# KiCad board motherboard.kicad_pcb (continued)
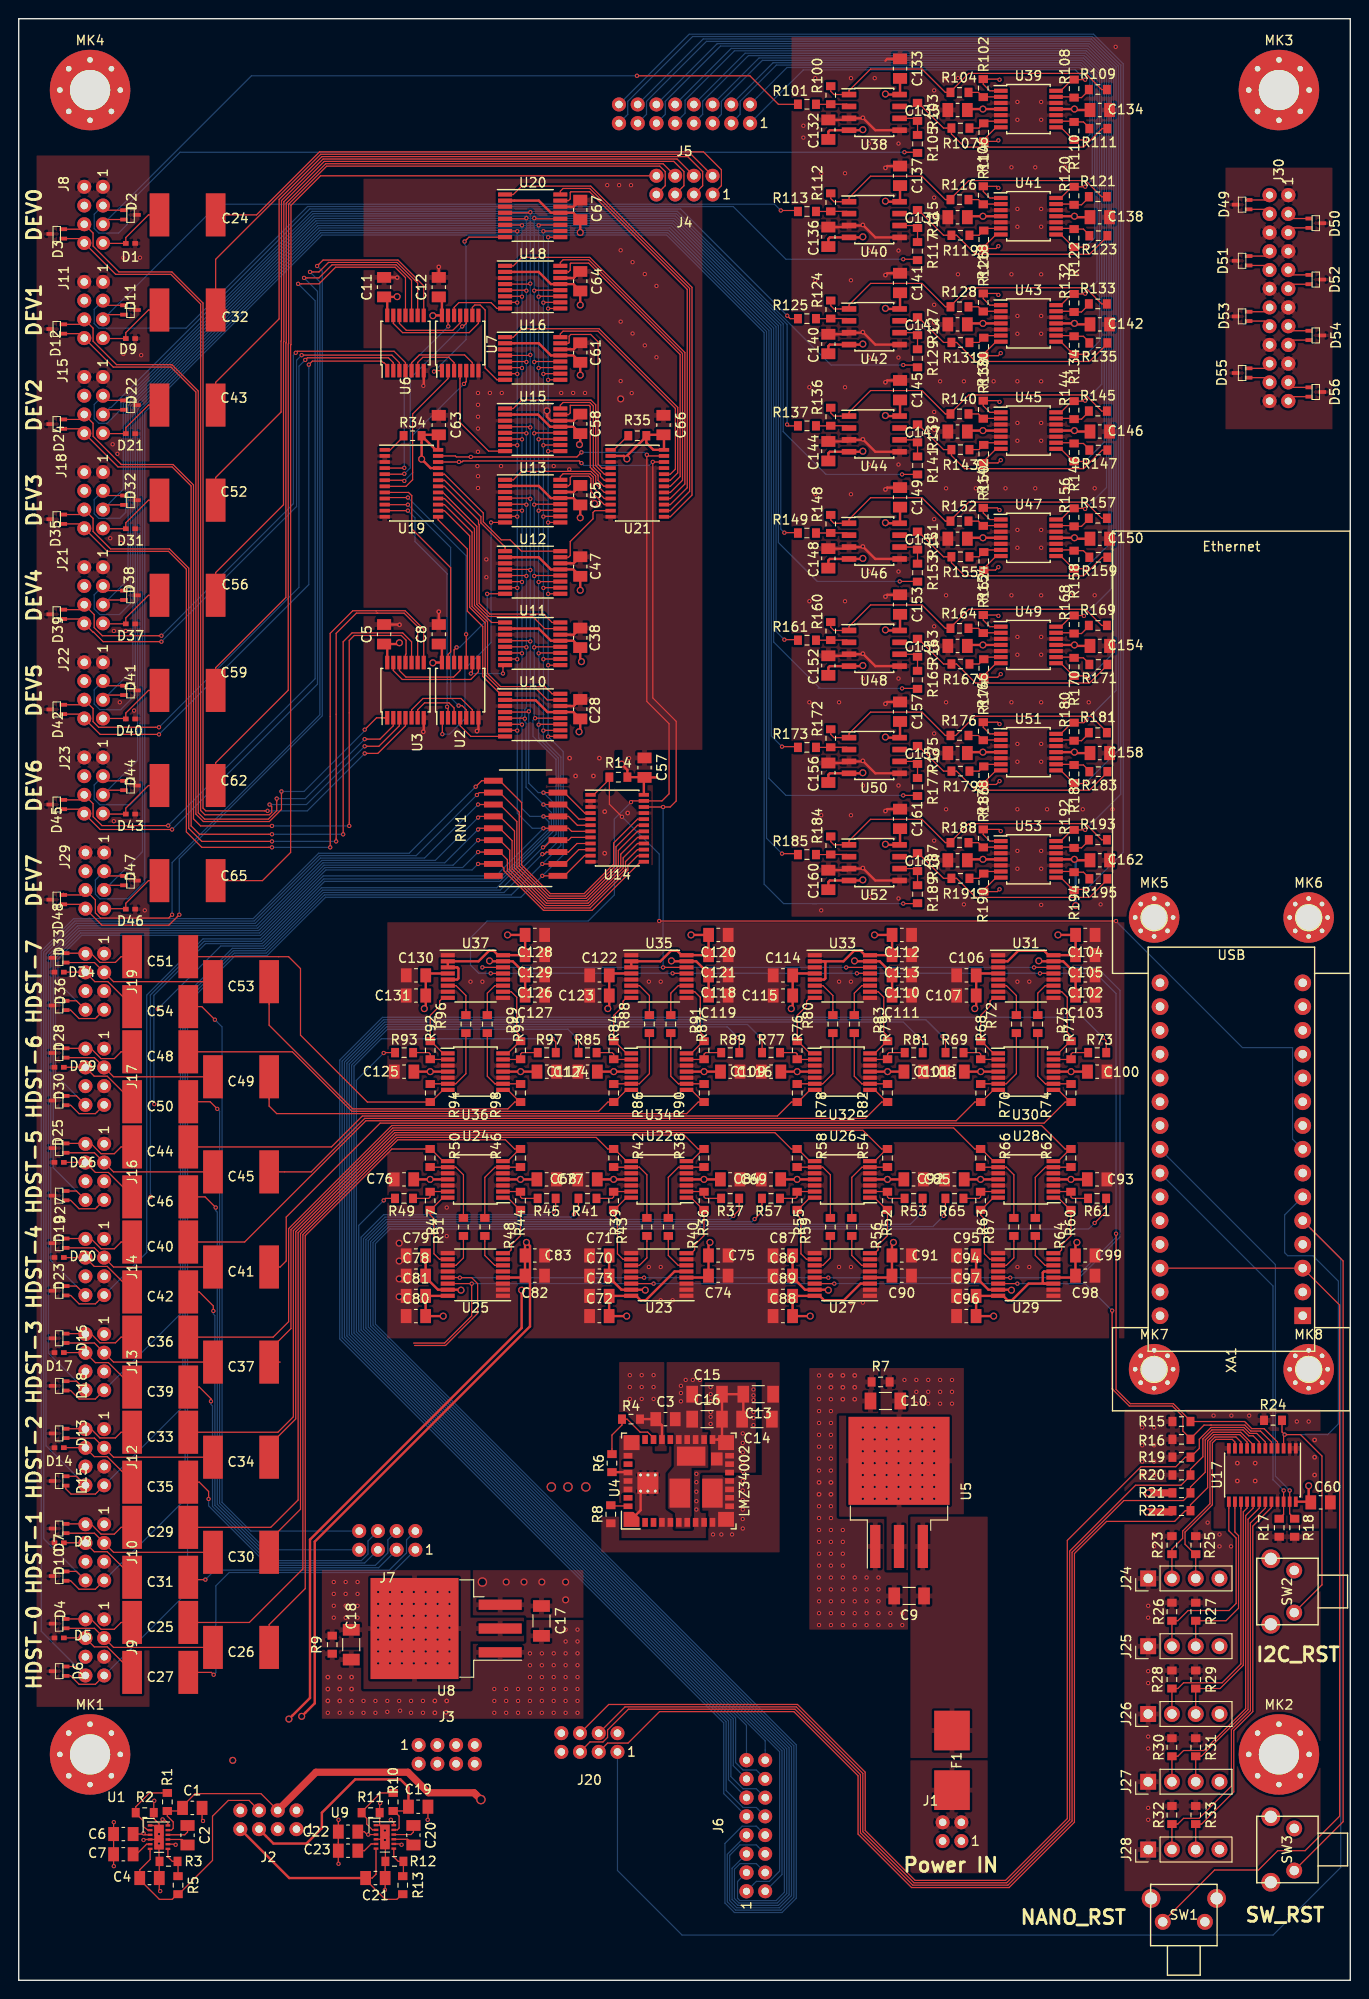
[diagram p0: board, top side]
## Nets (continued)
/Audio Mux and Control/DEV-PTT-XBAR-CTL23: U20.15 U21.15
/Audio Mux and Control/Device LR Distro Amplifier 0/L_IN: D2.2 J8.5 R101.2
/Audio Mux and Control/Device LR Distro Amplifier 0/R_IN: D2.1 J8.3 R105.2
/Audio Mux and Control/Device LR Distro Amplifier 1/L_IN: D11.2 J11.5 R113.2
/Audio Mux and Control/Device LR Distro Amplifier 1/R_IN: D11.1 J11.3 R117.2
/Audio Mux and Control/Device LR Distro Amplifier 2/L_IN: D22.2 J15.5 R125.2
/Audio Mux and Control/Device LR Distro Amplifier 2/R_IN: D22.1 J15.3 R129.2
/Audio Mux and Control/Device LR Distro Amplifier 3/L_IN: D32.2 J18.5 R137.2
/Audio Mux and Control/Device LR Distro Amplifier 3/R_IN: D32.1 J18.3 R141.2
/Audio Mux and Control/Device LR Distro Amplifier 4/L_IN: D38.2 J21.5 R149.2
/Audio Mux and Control/Device LR Distro Amplifier 4/R_IN: D38.1 J21.3 R153.2
/Audio Mux and Control/Device LR Distro Amplifier 5/L_IN: D41.2 J22.5 R161.2
/Audio Mux and Control/Device LR Distro Amplifier 5/R_IN: D41.1 J22.3 R165.2
/Audio Mux and Control/Device LR Distro Amplifier 6/L_IN: D44.2 J23.5 R173.2
/Audio Mux and Control/Device LR Distro Amplifier 6/R_IN: D44.1 J23.3 R177.2
/Audio Mux and Control/Device LR Distro Amplifier 7/L_IN: D47.2 J29.5 R185.2
/Audio Mux and Control/Device LR Distro Amplifier 7/R_IN: D47.1 J29.3 R189.2
/Audio Mux and Control/HEADSET-AUDIO-SOURCE-L-0: J5.1 R108.1 U39.14
/Audio Mux and Control/HEADSET-AUDIO-SOURCE-L-1: J5.3 R120.1 U41.14
/Audio Mux and Control/HEADSET-AUDIO-SOURCE-L-2: J5.5 R132.1 U43.14
/Audio Mux and Control/HEADSET-AUDIO-SOURCE-L-3: J5.7 R144.1 U45.14
/Audio Mux and Control/HEADSET-AUDIO-SOURCE-L-4: J5.9 R156.1 U47.14
/Audio Mux and Control/HEADSET-AUDIO-SOURCE-L-5: J5.11 R168.1 U49.14
/Audio Mux and Control/HEADSET-AUDIO-SOURCE-L-6: J5.13 R180.1 U51.14
/Audio Mux and Control/HEADSET-AUDIO-SOURCE-L-7: J5.15 R192.1 U53.14
/Audio Mux and Control/HEADSET-AUDIO-SOURCE-R-0: J5.2 R110.1 U39.8
/Audio Mux and Control/HEADSET-AUDIO-SOURCE-R-1: J5.4 R122.1 U41.8
/Audio Mux and Control/HEADSET-AUDIO-SOURCE-R-2: J5.6 R134.1 U43.8
/Audio Mux and Control/HEADSET-AUDIO-SOURCE-R-3: J5.8 R146.1 U45.8
/Audio Mux and Control/HEADSET-AUDIO-SOURCE-R-4: J5.10 R158.1 U47.8
/Audio Mux and Control/HEADSET-AUDIO-SOURCE-R-5: J5.12 R170.1 U49.8
/Audio Mux and Control/HEADSET-AUDIO-SOURCE-R-6: J5.14 R182.1 U51.8
/Audio Mux and Control/HEADSET-AUDIO-SOURCE-R-7: J5.16 R194.1 U53.8
/Audio Mux and Control/L_OUT0: J6.2 R45.2
/Audio Mux and Control/L_OUT1: J6.4 R37.2
/Audio Mux and Control/L_OUT2: J6.6 R53.2
/Audio Mux and Control/L_OUT3: J6.8 R61.2
/Audio Mux and Control/L_OUT4: J6.10 R69.2
/Audio Mux and Control/L_OUT5: J6.12 R77.2
/Audio Mux and Control/L_OUT6: J6.14 R85.2
/Audio Mux and Control/L_OUT7: J6.16 R93.2
/Audio Mux and Control/MIC-IN0: C27.2 J7.1
/Audio Mux and Control/MIC-IN1: C31.2 J7.2
/Audio Mux and Control/MIC-IN2: C35.2 J7.3
/Audio Mux and Control/MIC-IN3: C39.2 J7.4
/Audio Mux and Control/MIC-IN4: C42.2 J7.5
/Audio Mux and Control/MIC-IN5: C46.2 J7.6
/Audio Mux and Control/MIC-IN6: C50.2 J7.7
/Audio Mux and Control/MIC-IN7: C54.2 J7.8
/Audio Mux and Control/MIC-MUTE-0: D6.2 J9.8 RN1.1 U14.20
/Audio Mux and Control/MIC-MUTE-1: D10.2 J10.8 RN1.2 U14.19
/Audio Mux and Control/MIC-MUTE-2: D15.2 J12.8 RN1.3 U14.18
/Audio Mux and Control/MIC-MUTE-3: D18.2 J13.8 RN1.4 U14.17
/Audio Mux and Control/MIC-MUTE-4: D23.2 J14.8 RN1.5 U14.16
/Audio Mux and Control/MIC-MUTE-5: D27.2 J16.8 RN1.6 U14.15
/Audio Mux and Control/MIC-MUTE-6: D30.2 J17.8 RN1.7 U14.14
/Audio Mux and Control/MIC-MUTE-7: D36.2 J19.8 RN1.8 U14.13
/Audio Mux and Control/MIC-OUT0: C24.1 J4.1
/Audio Mux and Control/MIC-OUT1: C32.1 J4.2
/Audio Mux and Control/MIC-OUT2: C43.1 J4.3
/Audio Mux and Control/MIC-OUT3: C52.1 J4.4
/Audio Mux and Control/MIC-OUT4: C56.1 J4.5
/Audio Mux and Control/MIC-OUT5: C59.1 J4.6
/Audio Mux and Control/MIC-OUT6: C62.1 J4.7
/Audio Mux and Control/MIC-OUT7: C65.1 J4.8
/Audio Mux and Control/MIXER-OUT-L-0: D49.2 J30.2 R102.1 U39.1
/Audio Mux and Control/MIXER-OUT-L-1: D50.1 J30.3 R114.1 U41.1
/Audio Mux and Control/MIXER-OUT-L-2: D51.2 J30.8 R126.1 U43.1
/Audio Mux and Control/MIXER-OUT-L-3: D52.1 J30.9 R138.1 U45.1
/Audio Mux and Control/MIXER-OUT-L-4: D53.2 J30.14 R150.1 U47.1
/Audio Mux and Control/MIXER-OUT-L-5: D54.1 J30.15 R162.1 U49.1
/Audio Mux and Control/MIXER-OUT-L-6: D55.2 J30.20 R174.1 U51.1
/Audio Mux and Control/MIXER-OUT-L-7: D56.1 J30.21 R186.1 U53.1
/Audio Mux and Control/MIXER-OUT-R-0: D49.1 J30.4 R106.1 U39.7
/Audio Mux and Control/MIXER-OUT-R-1: D50.2 J30.5 R118.1 U41.7
/Audio Mux and Control/MIXER-OUT-R-2: D51.1 J30.10 R130.1 U43.7
/Audio Mux and Control/MIXER-OUT-R-3: D52.2 J30.11 R142.1 U45.7
/Audio Mux and Control/MIXER-OUT-R-4: D53.1 J30.16 R154.1 U47.7
/Audio Mux and Control/MIXER-OUT-R-5: D54.2 J30.17 R166.1 U49.7
/Audio Mux and Control/MIXER-OUT-R-6: D55.1 J30.22 R178.1 U51.7
/Audio Mux and Control/MIXER-OUT-R-7: D56.2 J30.23 R190.1 U53.7
/Audio Mux and Control/MUX->OR-0: U2.4 U10.8
/Audio Mux and Control/MUX->OR-1: U2.9 U11.8
/Audio Mux and Control/MUX->OR-2: U2.12 U12.8
/Audio Mux and Control/MUX->OR-3: U2.1 U13.8
/Audio Mux and Control/MUX->OR-4: U7.4 U15.8
/Audio Mux and Control/MUX->OR-5: U7.9 U16.8
/Audio Mux and Control/MUX->OR-6: U7.12 U18.8
/Audio Mux and Control/MUX->OR-7: U7.1 U20.8
/Audio Mux and Control/PTT+DEV0: D3.2 J8.6 U3.4
/Audio Mux and Control/PTT+DEV1: D12.2 J11.6 U3.2
/Audio Mux and Control/PTT+DEV2: D24.2 J15.6 U3.11
/Audio Mux and Control/PTT+DEV3: D35.2 J18.6 U3.9
/Audio Mux and Control/PTT+DEV4: D39.2 J21.6 U6.4
/Audio Mux and Control/PTT+DEV5: D42.2 J22.6 U6.2
/Audio Mux and Control/PTT+DEV6: D45.2 J23.6 U6.11
/Audio Mux and Control/PTT+DEV7: D48.2 J29.6 U6.9
/Audio Mux and Control/PTT-0: D6.1 J9.7 RN1.10 U10.9 U11.9 U12.9 U13.9 U14.11 U15.9 U16.9 U18.9 U20.9
/Audio Mux and Control/PTT-1: D10.1 J10.7 RN1.11 U10.10 U11.10 U12.10 U13.10 U14.10 U15.10 U16.10 U18.10 U20.10
/Audio Mux and Control/PTT-2: D15.1 J12.7 RN1.12 U10.11 U11.11 U12.11 U13.11 U14.9 U15.11 U16.11 U18.11 U20.11
/Audio Mux and Control/PTT-3: D18.1 J13.7 RN1.13 U10.12 U11.12 U12.12 U13.12 U14.8 U15.12 U16.12 U18.12 U20.12
/Audio Mux and Control/PTT-4: D23.1 J14.7 RN1.14 U10.7 U11.7 U12.7 U13.7 U14.7 U15.7 U16.7 U18.7 U20.7
/Audio Mux and Control/PTT-5: D27.1 J16.7 RN1.15 U10.6 U11.6 U12.6 U13.6 U14.6 U15.6 U16.6 U18.6 U20.6
/Audio Mux and Control/PTT-6: D30.1 J17.7 RN1.16 U10.5 U11.5 U12.5 U13.5 U14.5 U15.5 U16.5 U18.5 U20.5
/Audio Mux and Control/PTT-7: D36.1 J19.7 RN1.17 U10.4 U11.4 U12.4 U13.4 U14.4 U15.4 U16.4 U18.4 U20.4
/Audio Mux and Control/PTT-DEV0: D3.1 J8.8 U3.3
/Audio Mux and Control/PTT-DEV1: D12.1 J11.8 U3.1
/Audio Mux and Control/PTT-DEV2: D24.1 J15.8 U3.10
/Audio Mux and Control/PTT-DEV3: D35.1 J18.8 U3.8
/Audio Mux and Control/PTT-DEV4: D39.1 J21.8 U6.3
/Audio Mux and Control/PTT-DEV5: D42.1 J22.8 U6.1
/Audio Mux and Control/PTT-DEV6: D45.1 J23.8 U6.10
/Audio Mux and Control/PTT-DEV7: D48.1 J29.8 U6.8
/Audio Mux and Control/R_OUT0: J6.1 R49.2
/Audio Mux and Control/R_OUT1: J6.3 R41.2
/Audio Mux and Control/R_OUT2: J6.5 R57.2
/Audio Mux and Control/R_OUT3: J6.7 R65.2
/Audio Mux and Control/R_OUT4: J6.9 R73.2
/Audio Mux and Control/R_OUT5: J6.11 R81.2
/Audio Mux and Control/R_OUT6: J6.13 R89.2
/Audio Mux and Control/R_OUT7: J6.15 R97.2
/Audio Mux and Control/RPI-PTT-0: U2.5 U19.10
/Audio Mux and Control/RPI-PTT-1: U2.10 U19.9
/Audio Mux and Control/RPI-PTT-2: U2.13 U19.8
/Audio Mux and Control/RPI-PTT-3: U2.2 U19.11
/Audio Mux and Control/RPI-PTT-4: U7.5 U19.6
/Audio Mux and Control/RPI-PTT-5: U7.10 U19.5
/Audio Mux and Control/RPI-PTT-6: U7.13 U19.4
/Audio Mux and Control/RPI-PTT-7: U7.2 U19.7
/Audio Mux and Control/Stereo Amplifier 0/L_OUT: C25.2 R46.1 U24.7
/Audio Mux and Control/Stereo Amplifier 0/R_OUT: C26.2 R50.1 U24.8
/Audio Mux and Control/Stereo Amplifier 1/L_OUT: C29.2 R38.1 U22.7
/Audio Mux and Control/Stereo Amplifier 1/R_OUT: C30.2 R42.1 U22.8
/Audio Mux and Control/Stereo Amplifier 2/L_OUT: C33.2 R54.1 U26.7
/Audio Mux and Control/Stereo Amplifier 2/R_OUT: C34.2 R58.1 U26.8
/Audio Mux and Control/Stereo Amplifier 3/L_OUT: C36.2 R62.1 U28.7
/Audio Mux and Control/Stereo Amplifier 3/R_OUT: C37.2 R66.1 U28.8
/Audio Mux and Control/Stereo Amplifier 4/L_OUT: C40.2 R70.1 U30.7
/Audio Mux and Control/Stereo Amplifier 4/R_OUT: C41.2 R74.1 U30.8
/Audio Mux and Control/Stereo Amplifier 5/L_OUT: C44.2 R78.1 U32.7
/Audio Mux and Control/Stereo Amplifier 5/R_OUT: C45.2 R82.1 U32.8
/Audio Mux and Control/Stereo Amplifier 6/L_OUT: C48.2 R86.1 U34.7
/Audio Mux and Control/Stereo Amplifier 6/R_OUT: C49.2 R90.1 U34.8
/Audio Mux and Control/Stereo Amplifier 7/L_OUT: C51.2 R94.1 U36.7
/Audio Mux and Control/Stereo Amplifier 7/R_OUT: C53.2 R98.1 U36.8
Net-(C2-Pad1): C2.1 U1.10
Net-(C2-Pad2): C2.2 U1.9
Net-(C7-Pad1): C7.1 U1.5
Net-(C20-Pad1): C20.1 U9.10
Net-(C20-Pad2): C20.2 U9.9
Net-(C23-Pad1): C23.1 U9.5
Net-(C24-Pad2): C24.2 D1.1 J8.7
Net-(C25-Pad1): C25.1 D4.2 J9.2
Net-(C26-Pad1): C26.1 D4.1 J9.3
Net-(C27-Pad1): C27.1 D5.2 J9.4
Net-(C29-Pad1): C29.1 D7.2 J10.2
Net-(C30-Pad1): C30.1 D7.1 J10.3
Net-(C31-Pad1): C31.1 D8.2 J10.4
Net-(C32-Pad2): C32.2 D9.1 J11.7
Net-(C33-Pad1): C33.1 D13.2 J12.2
Net-(C34-Pad1): C34.1 D13.1 J12.3
Net-(C35-Pad1): C35.1 D14.2 J12.4
Net-(C36-Pad1): C36.1 D16.2 J13.2
Net-(C37-Pad1): C37.1 D16.1 J13.3
Net-(C39-Pad1): C39.1 D17.2 J13.4
Net-(C40-Pad1): C40.1 D19.2 J14.2
Net-(C41-Pad1): C41.1 D19.1 J14.3
Net-(C42-Pad1): C42.1 D20.2 J14.4
Net-(C43-Pad2): C43.2 D21.1 J15.7
Net-(C44-Pad1): C44.1 D25.2 J16.2
Net-(C45-Pad1): C45.1 D25.1 J16.3
Net-(C46-Pad1): C46.1 D26.2 J16.4
Net-(C48-Pad1): C48.1 D28.2 J17.2
Net-(C49-Pad1): C49.1 D28.1 J17.3
Net-(C50-Pad1): C50.1 D29.2 J17.4
Net-(C51-Pad1): C51.1 D33.2 J19.2
Net-(C52-Pad2): C52.2 D31.1 J18.7
Net-(C53-Pad1): C53.1 D33.1 J19.3
Net-(C54-Pad1): C54.1 D34.2 J19.4
Net-(C56-Pad2): C56.2 D37.1 J21.7
Net-(C59-Pad2): C59.2 D40.1 J22.7
Net-(C62-Pad2): C62.2 D43.1 J23.7
Net-(C65-Pad2): C65.2 D46.1 J29.7
Net-(R1-Pad2): R1.2 R2.1 U1.2
Net-(R3-Pad2): R3.2 R5.1 U1.7
Net-(R4-Pad2): R4.2 R6.1 U4.27
Net-(R8-Pad1): R8.1 U4.36
Net-(R10-Pad2): R10.2 R11.1 U9.2
Net-(R12-Pad2): R12.2 R13.1 U9.7
Net-(R34-Pad2): R34.2 U19.1
Net-(R35-Pad2): R35.2 U21.1
Net-(R36-Pad1): R36.1 U22.1 U23.8
Net-(R36-Pad2): R36.2 R37.1 U22.2
Net-(R38-Pad2): R38.2 R40.1 U22.6
Net-(R39-Pad1): R39.1 U22.14 U23.10
Net-(R39-Pad2): R39.2 R41.1 U22.13
Net-(R40-Pad2): R40.2 U23.6
Net-(R42-Pad2): R42.2 R43.1 U22.9
Net-(R43-Pad2): R43.2 U23.11
Net-(R44-Pad1): R44.1 U24.1 U25.8
Net-(R44-Pad2): R44.2 R45.1 U24.2
Net-(R46-Pad2): R46.2 R48.1 U24.6
Net-(R47-Pad1): R47.1 U24.14 U25.10
Net-(R47-Pad2): R47.2 R49.1 U24.13
Net-(R48-Pad2): R48.2 U25.6
Net-(R50-Pad2): R50.2 R51.1 U24.9
Net-(R51-Pad2): R51.2 U25.11
Net-(R52-Pad1): R52.1 U26.1 U27.8
Net-(R52-Pad2): R52.2 R53.1 U26.2
Net-(R54-Pad2): R54.2 R56.1 U26.6
Net-(R55-Pad1): R55.1 U26.14 U27.10
Net-(R55-Pad2): R55.2 R57.1 U26.13
Net-(R56-Pad2): R56.2 U27.6
Net-(R58-Pad2): R58.2 R59.1 U26.9
Net-(R59-Pad2): R59.2 U27.11
Net-(R60-Pad1): R60.1 U28.1 U29.8
Net-(R60-Pad2): R60.2 R61.1 U28.2
Net-(R62-Pad2): R62.2 R64.1 U28.6
Net-(R63-Pad1): R63.1 U28.14 U29.10
Net-(R63-Pad2): R63.2 R65.1 U28.13
Net-(R64-Pad2): R64.2 U29.6
Net-(R66-Pad2): R66.2 R67.1 U28.9
Net-(R67-Pad2): R67.2 U29.11
Net-(R68-Pad1): R68.1 U30.1 U31.8
Net-(R68-Pad2): R68.2 R69.1 U30.2
Net-(R70-Pad2): R70.2 R72.1 U30.6
Net-(R71-Pad1): R71.1 U30.14 U31.10
Net-(R71-Pad2): R71.2 R73.1 U30.13
Net-(R72-Pad2): R72.2 U31.6
Net-(R74-Pad2): R74.2 R75.1 U30.9
Net-(R75-Pad2): R75.2 U31.11
Net-(R76-Pad1): R76.1 U32.1 U33.8
Net-(R76-Pad2): R76.2 R77.1 U32.2
Net-(R78-Pad2): R78.2 R80.1 U32.6
Net-(R79-Pad1): R79.1 U32.14 U33.10
Net-(R79-Pad2): R79.2 R81.1 U32.13
Net-(R80-Pad2): R80.2 U33.6
Net-(R82-Pad2): R82.2 R83.1 U32.9
Net-(R83-Pad2): R83.2 U33.11
Net-(R84-Pad1): R84.1 U34.1 U35.8
Net-(R84-Pad2): R84.2 R85.1 U34.2
Net-(R86-Pad2): R86.2 R88.1 U34.6
Net-(R87-Pad1): R87.1 U34.14 U35.10
Net-(R87-Pad2): R87.2 R89.1 U34.13
Net-(R88-Pad2): R88.2 U35.6
Net-(R90-Pad2): R90.2 R91.1 U34.9
Net-(R91-Pad2): R91.2 U35.11
Net-(R92-Pad1): R92.1 U36.1 U37.8
Net-(R92-Pad2): R92.2 R93.1 U36.2
Net-(R94-Pad2): R94.2 R96.1 U36.6
Net-(R95-Pad1): R95.1 U36.14 U37.10
Net-(R95-Pad2): R95.2 R97.1 U36.13
Net-(R96-Pad2): R96.2 U37.6
Net-(R98-Pad2): R98.2 R99.1 U36.9
Net-(R99-Pad2): R99.2 U37.11
Net-(R100-Pad1): R100.1 R104.2 R109.2 U38.1
Net-(R100-Pad2): R100.2 R101.1 U38.2
Net-(R102-Pad2): R102.2 R104.1 U39.2
Net-(R103-Pad1): R103.1 R107.2 R111.2 U38.7
Net-(R103-Pad2): R103.2 R105.1 U38.6
Net-(R106-Pad2): R106.2 R107.1 U39.6
Net-(R108-Pad2): R108.2 R109.1 U39.13
Net-(R110-Pad2): R110.2 R111.1 U39.9
Net-(R112-Pad1): R112.1 R116.2 R121.2 U40.1
Net-(R112-Pad2): R112.2 R113.1 U40.2
Net-(R114-Pad2): R114.2 R116.1 U41.2
Net-(R115-Pad1): R115.1 R119.2 R123.2 U40.7
Net-(R115-Pad2): R115.2 R117.1 U40.6
Net-(R118-Pad2): R118.2 R119.1 U41.6
Net-(R120-Pad2): R120.2 R121.1 U41.13
Net-(R122-Pad2): R122.2 R123.1 U41.9
Net-(R124-Pad1): R124.1 R128.2 R133.2 U42.1
Net-(R124-Pad2): R124.2 R125.1 U42.2
Net-(R126-Pad2): R126.2 R128.1 U43.2
Net-(R127-Pad1): R127.1 R131.2 R135.2 U42.7
Net-(R127-Pad2): R127.2 R129.1 U42.6
Net-(R130-Pad2): R130.2 R131.1 U43.6
Net-(R132-Pad2): R132.2 R133.1 U43.13
Net-(R134-Pad2): R134.2 R135.1 U43.9
Net-(R136-Pad1): R136.1 R140.2 R145.2 U44.1
Net-(R136-Pad2): R136.2 R137.1 U44.2
Net-(R138-Pad2): R138.2 R140.1 U45.2
Net-(R139-Pad1): R139.1 R143.2 R147.2 U44.7
Net-(R139-Pad2): R139.2 R141.1 U44.6
Net-(R142-Pad2): R142.2 R143.1 U45.6
Net-(R144-Pad2): R144.2 R145.1 U45.13
Net-(R146-Pad2): R146.2 R147.1 U45.9
Net-(R148-Pad1): R148.1 R152.2 R157.2 U46.1
Net-(R148-Pad2): R148.2 R149.1 U46.2
Net-(R150-Pad2): R150.2 R152.1 U47.2
Net-(R151-Pad1): R151.1 R155.2 R159.2 U46.7
Net-(R151-Pad2): R151.2 R153.1 U46.6
Net-(R154-Pad2): R154.2 R155.1 U47.6
Net-(R156-Pad2): R156.2 R157.1 U47.13
Net-(R158-Pad2): R158.2 R159.1 U47.9
Net-(R160-Pad1): R160.1 R164.2 R169.2 U48.1
Net-(R160-Pad2): R160.2 R161.1 U48.2
Net-(R162-Pad2): R162.2 R164.1 U49.2
Net-(R163-Pad1): R163.1 R167.2 R171.2 U48.7
Net-(R163-Pad2): R163.2 R165.1 U48.6
Net-(R166-Pad2): R166.2 R167.1 U49.6
Net-(R168-Pad2): R168.2 R169.1 U49.13
Net-(R170-Pad2): R170.2 R171.1 U49.9
Net-(R172-Pad1): R172.1 R176.2 R181.2 U50.1
Net-(R172-Pad2): R172.2 R173.1 U50.2
Net-(R174-Pad2): R174.2 R176.1 U51.2
Net-(R175-Pad1): R175.1 R179.2 R183.2 U50.7
Net-(R175-Pad2): R175.2 R177.1 U50.6
Net-(R178-Pad2): R178.2 R179.1 U51.6
Net-(R180-Pad2): R180.2 R181.1 U51.13
Net-(R182-Pad2): R182.2 R183.1 U51.9
Net-(R184-Pad1): R184.1 R188.2 R193.2 U52.1
Net-(R184-Pad2): R184.2 R185.1 U52.2
Net-(R186-Pad2): R186.2 R188.1 U53.2
Net-(R187-Pad1): R187.1 R191.2 R195.2 U52.7
Net-(R187-Pad2): R187.2 R189.1 U52.6
Net-(R190-Pad2): R190.2 R191.1 U53.6
Net-(R192-Pad2): R192.2 R193.1 U53.13
Net-(R194-Pad2): R194.2 R195.1 U53.9
Net-(U4-Pad21): U4.6 U4.7 U4.21 U4.22 U4.23 U4.24 U4.38 U4.41

Pads without a net: RN1 9; U4 2 3 25 28 31 35; XA1 1 2 7 9 10 11 12 13 14 15 16 18 19 20 21 22 25 26 30

## Via types
v1: diameter 0.457, hole 0.254, Top to Bottom, 778 vias
v2: diameter 0.508, hole 0.254, Top to Bottom, 59 vias
v3: diameter 0.762, hole 0.508, Top to Bottom, 107 vias
v4: diameter 1.016, hole 0.762, Top to Bottom, 5 vias

## Routing (per net, layer and track width the routed paths; a pad name or vN(x,y) marks a point on that pad's centre or on a via; arc(x,y) is an arc through that point)
+2V5: length 132.1
  Top w0.127: J2.4 25.88,19.94 18.85,19.94 17.5,18.59 C1.1 17.17,18.09 R1.1 15.87,17.54 16.5,16.91 16.5,16.23 16.31,16.04 U1.11
  Top w0.762: R22.1 123.12,50.04 v3(120.52,50.04) ; v4(49.37,19.3) 48.64,20.03 43.77,20.03 41.58,22.23 31.75,22.23 J2.4 ; v3(120.65,52.07) R21.1
  In1.Cu w0.762: v3(120.65,52.07) 120.52,51.94 v3(120.52,50.04) 104.78,34.29 80.9,34.29 65.91,19.3 v4(49.37,19.3)
+3V3: length 64.5
  Top w0.254: U17.24 137.95,51.12 C60.2 137.8,51.28 v3(137.8,52.83)
  In1.Cu w0.254: v3(137.8,52.83) 134.62,56.01 134.62,96.9 127.51,104.01 XA1.17
+5V: length 440.5
  Top w0.127: U9.3 v1(37.34,15.57) 37.23,15.57 36.92,15.88 C22.1 ; U9.12 40.07,16.83 v1(39.75,17.15) ; U1.12 15.94,16.79 15.55,17.18 v1(15.37,17.18) ; C6.1 13.26,15.62 v1(13.34,15.7) 13.49,15.54 U1.3 ; U1.8 16.7,14.54 v1(16.76,14.48) ; U9.8 40.81,14.57 v1(40.89,14.48)
  Top w0.254: v3(45.35,70.95) C80.2 C81.2 45.81,73.11 U25.16 ; v3(40.66,142.88) 40.53,142.75 C5.1 39.36,142.41 U3.14 ; U15.2 55.47,167.26 56.77,165.96 U15.13 59.25,165.96 C58.1 59.98,164.14 v3(59.9,164.06) ; v3(59.98,186.72) C67.1 59.25,188.82 U20.13 56.85,188.82 55.55,190.12 U20.2 ; v3(111.02,111.67) C104.2 C105.2 110.55,109.52 U31.16 110.01,109.5 109.53,109.98 106.77,109.98 105.64,108.85 U31.2 ; v3(40.43,179.86) 40.4,179.83 C11.1 39.36,179.5 U6.14 ; v3(91.42,111.67) C112.2 C113.2 90.95,109.52 U33.16 90.41,109.5 89.93,109.98 89.23,109.98 88.11,108.85 U33.2 86.04,108.85 86.17,108.73 86.17,107.03 86.04,106.9 U33.5 ; U12.2 55.55,152.02 56.85,150.72 U12.13 59.25,150.72 C47.1 v3(59.98,148.49) ; U19.21 44,161.54 v3(43.04,162.5) R34.1 ; U29.5 109.52,75.72 109.39,75.6 109.39,74.54 109.51,74.42 U29.3 107.87,74.42 106.09,72.64 105.63,72.64 105.15,73.12 U29.16 104.61,73.11 C97.2 C96.2 v3(104.15,70.95) ; v3(84.55,70.95) C88.2 C89.2 85.01,73.11 U27.16 85.55,73.12 86.03,72.64 88.14,72.64 89.92,74.42 U27.3 ; v3(59.98,171.48) C61.1 59.25,173.58 U16.13 56.85,173.58 55.55,174.88 U16.2 ; C8.1 45.21,142.41 U2.14 44.26,140.77 v3(44.24,140.74) ; v3(44.24,177.83) 44.26,177.86 U7.14 45.21,179.5 C12.1 ; U23.5 70.06,75.72 66.98,72.64 66.43,72.64 65.95,73.12 U23.16 65.41,73.11 C73.2 C72.2 v3(64.95,70.95) ; U21.2 64.64,162.84 v3(64.96,162.52) 64.96,162.84 67.04,164.92 R35.1 ; U14.24 66.78,128.43 C57.2 ; U10.2 52,136.74 55.23,136.74 56.48,135.48 U10.13 59.25,135.48 C28.1 59.98,133.5 v3(59.86,133.38) ; v3(71.82,111.67) C120.2 C121.2 71.35,109.52 U35.16 70.81,109.5 70.33,109.98 69.68,109.98 68.55,108.85 U35.2 U35.3 ; U37.5 46.84,106.9 46.97,107.03 46.97,108.08 46.85,108.2 U37.3 U37.2 49.12,108.85 50.25,109.98 50.73,109.98 51.21,109.5 U37.16 51.75,109.52 C129.2 C128.2 v3(52.22,111.67) ; R35.1 67.14,165.1 C66.2 68.93,165.04 U21.24 67.79,163.49 67.04,164.25 R35.1 ; R34.1 44.54,163.49 U19.24 44.8,165.03 C63.2 43.14,165.1 R34.1 ; v3(59.98,178.97) C64.1 59.25,181.2 U18.13 56.85,181.2 55.55,182.5 U18.2 ; C57.2 68.22,128.5 ; C57.2 66.82,128.53 R14.1 65.02,129.29 v3(64.39,129.92) ; U11.2 55.55,144.4 56.85,143.1 U11.13 59.25,143.1 C38.1 59.98,141 v3(60.11,140.87) ; v3(59.98,156.24) C55.1 59.25,158.34 U13.13 56.85,158.34 55.55,159.64 U13.2 ; 22.71,23.65 v3(22.86,23.5)
  In1.Cu w0.254: v3(111.02,111.67) v3(91.42,111.67) v3(71.82,111.67) v3(52.22,111.67) 43.6,111.67 36.83,104.9 36.83,73.91 39.79,70.95 v3(45.35,70.95) v3(64.95,70.95) v3(84.55,70.95) v3(104.15,70.95) 114.26,70.95 XA1.27
  vias: v1(33.65,42.55) v1(33.65,41.28) v1(33.65,40) v1(33.65,38.74) v1(34.93,42.55) v1(34.93,41.28) v1(34.93,40) v1(34.93,38.74) v1(36.2,42.55) v1(36.2,41.28) v1(36.2,40) v1(36.2,38.74) v1(38.39,41.48) v1(38.39,40.21) v1(38.39,38.94) v1(38.39,37.67) v1(38.39,36.4) v1(38.39,35.13) v1(38.39,33.86) v1(39.66,41.48) v1(39.66,40.21) v1(39.66,38.94) v1(39.66,37.67) v1(39.66,36.4) v1(39.66,35.13) v1(39.66,33.86) v1(40.93,41.48) v1(40.93,40.21) v1(40.93,38.94) v1(40.93,37.67) v1(40.93,36.4) v1(40.93,35.13) v1(40.93,33.86) v1(42.2,41.48) v1(42.2,40.21) v1(42.2,38.94) v1(42.2,37.67) v1(42.2,36.4) v1(42.2,35.13) v1(42.2,33.86) v1(43.47,41.48) v1(43.47,40.21) v1(43.47,38.94) v1(43.47,37.67) v1(43.47,36.4) v1(43.47,35.13) v1(43.47,33.86) v1(44.74,41.48) v1(44.74,40.21) v1(44.74,38.94) v1(44.74,37.67) v1(44.74,36.4) v1(44.74,35.13) v1(44.74,33.86) v1(46.01,41.48) v1(46.01,40.21) v1(46.01,38.94) v1(46.01,37.67) v1(46.01,36.4) v1(46.01,35.13) v1(46.01,33.86) v1(120.02,59.06) v1(120.02,57.15) v1(120.02,55.41) v1(120.02,53.98) v1(120.65,40) v1(120.65,38.74) v1(120.65,33.02) v1(120.65,31.75) v1(120.65,26.04) v1(120.65,24.77) v1(120.65,18.42) v1(120.65,17.15) v1(121.28,59.06) v1(121.28,57.15) v1(121.28,55.41) v1(121.28,53.98) v1(121.28,47.62) v1(121.28,46.36) v1(127,48.9) v1(127.63,60.33) v1(128.27,47.62) v1(128.27,46.36) v1(129.54,60.33) v1(129.5,46.36) v1(131.44,60.33) v1(136.53,59.69) v1(137.67,47.5) v1(137.8,59.69)
+5VA: length 323.2
  Top w0.127: U9.11 40.44,16.07 40.63,16.26 40.63,17.54 40.08,18.09 R10.1 41.18,18.09 C19.1
  Top w0.254: v3(106.05,73.72) 106,73.77 U29.15 103.59,73.77 102.27,75.09 C94.2 C95.2 ; v3(66.93,73.72) 66.88,73.77 U23.15 64.39,73.77 63.07,75.09 C70.2 C71.2 ; J2.5 27.21,14.61 30.73,14.61 32.38,16.26 32.38,17.91 35.94,21.46 40.77,21.46 41.63,20.6 C19.1 ; v3(89.28,108.9) 89.33,108.85 U33.15 91.97,108.85 93.29,107.53 C110.2 C111.2 ; v3(69.72,108.9) 69.77,108.85 U35.15 72.37,108.85 73.69,107.53 C118.2 C119.2 ; v3(28.86,27.91) 31.12,30.16 31.12,47.07 53.72,69.68 v3(53.72,73.72) ; C127.2 C126.2 54.09,107.53 52.77,108.85 U37.15 50.34,108.85 v3(50.29,108.9) ; v3(86.49,73.72) 86.44,73.77 U27.15 83.99,73.77 82.67,75.09 C86.2 C87.2 ; v3(47.24,73.72) 47.19,73.77 U25.15 44.79,73.77 43.47,75.09 C78.2 C79.2 ; v3(108.97,108.9) 109.01,108.85 U31.15 111.57,108.85 112.89,107.53 C102.2 C103.2
  In1.Cu w0.254: v3(28.86,27.91) 21.72,20.76 21.72,14.1 23.62,14.1 J2.5 ; v3(108.97,108.9) 89.28,108.9 v3(89.28,108.9) v3(69.72,108.9) v3(50.29,108.9) 45.78,108.9 38.38,101.5 38.38,82.59 v3(47.24,73.72) v3(53.72,73.72) v3(66.93,73.72) v3(86.49,73.72) v3(106.05,73.72)
+12V: length 329.1
  Top w0.254: C137.2 94.14,190.05 U40.8 92.64,190 v3(92.58,190.06) ; C101.2 v3(102.76,97.07) U30.4 ; U24.4 v3(53.6,85.56) C77.2 ; C163.2 101.44,119.75 v3(103,119.75) U53.4 ; U51.4 v3(103,131.2) 101.44,131.2 C159.2 ; v3(92.58,178.61) 92.64,178.55 U42.8 94.14,178.6 C141.2 ; C135.2 101.44,199.9 v3(103,199.9) U39.4 ; U22.4 v3(73.2,85.56) C69.2 ; U36.4 v3(43.96,97.07) C125.2 ; v3(92.58,144.26) 92.64,144.2 U48.8 94.14,144.25 C153.2 ; C109.2 v3(83.16,97.07) U32.4 ; U43.4 v3(103,177) 101.44,177 C143.2 ; C133.2 94.14,201.5 U38.8 92.64,201.45 v3(92.58,201.51) ; C93.2 v3(112.4,85.56) U28.4 ; 68.71,57.76 68.71,59.28 C3.1 R4.1 ; U26.4 v3(92.8,85.56) C85.2 ; v3(92.58,155.71) 92.64,155.65 U46.8 94.14,155.7 C149.2 ; C157.2 94.14,132.8 U50.8 92.64,132.75 v3(92.58,132.81) ; U49.4 v3(103,142.65) 101.44,142.65 C155.2 ; U47.4 v3(103,154.1) 101.44,154.1 C151.2 ; v3(92.58,167.16) 92.64,167.1 U44.8 94.14,167.15 C145.2 ; U45.4 v3(103,165.55) 101.44,165.55 C147.2 ; C139.2 101.44,188.45 v3(103,188.45) U41.4 ; v3(92.58,121.36) 92.64,121.3 U52.8 94.14,121.35 C161.2 ; U34.4 v3(63.56,97.07) C117.2
  In1.Cu w0.254: 95,83.9 75.56,83.9 ; 95,83.9 110.74,83.9 v3(112.4,85.56) ; 95,83.9 94.49,83.9 93.96,84.42 93.93,84.42 v3(92.8,85.56) ; 75.56,83.9 74.86,83.9 v3(73.2,85.56) ; 75.56,83.9 55.26,83.9 v3(53.6,85.56) 52.24,84.2 43.05,84.2 42.29,84.96 42.29,94.86 43.96,96.53 v3(43.96,97.07) 46.2,99.31 61.32,99.31 ; v3(103,119.75) 103,116.08 105.03,114.05 110.87,114.05 112.01,112.9 112.01,99.82 109.26,97.07 v3(102.76,97.07) 100.52,99.31 80.92,99.31 ; 61.32,99.31 80.92,99.31 ; 61.32,99.31 v3(63.56,97.07) ; 80.92,99.31 v3(83.16,97.07)
  In1.Cu w0.762: v4(49.53,42.55) 48.64,41.66 48.64,27.94 51.18,25.4 51.18,21.84 49.78,20.45 33.03,20.45 30.73,18.15 J2.2
  vias: v1(65.28,64.64) v1(65.28,63.37) v1(65.28,62.1) v1(66.55,64.64) v1(66.55,63.37) v1(66.55,62.1) v1(67.82,64.64) v1(67.82,63.37) v1(67.82,62.1) v1(90.17,59.06) v1(90.17,57.79) v1(90.17,56.52) v1(90.17,55.25) v1(90.17,53.98) v1(90.17,52.71) v1(90.17,51.44) v1(91.44,59.06) v1(91.44,57.79) v1(91.44,56.52) v1(91.44,55.25) v1(91.44,53.98) v1(91.44,52.71) v1(91.44,51.44) v1(92.71,59.06) v1(92.71,57.79) v1(92.71,56.52) v1(92.71,55.25) v1(92.71,53.98) v1(92.71,52.71) v1(92.71,51.44) v1(93.98,59.06) v1(93.98,57.79) v1(93.98,56.52) v1(93.98,55.25) v1(93.98,53.98) v1(93.98,52.71) v1(93.98,51.44) v1(94.62,64.14) v1(95.25,59.06) v1(95.25,57.79) v1(95.25,56.52) v1(95.25,55.25) v1(95.25,53.98) v1(95.25,52.71) v1(95.25,51.44) v1(95.88,64.14) v1(95.88,62.87) v1(95.88,61.6) v1(96.52,59.06) v1(96.52,57.79) v1(96.52,56.52) v1(96.52,55.25) v1(96.52,53.98) v1(96.52,52.71) v1(96.52,51.44) v1(97.16,64.14) v1(97.16,62.87) v1(97.16,61.6) v1(97.79,59.06) v1(97.79,57.79) v1(97.79,56.52) v1(97.79,55.25) v1(97.79,53.98) v1(97.79,52.71) v1(97.79,51.44) v1(98.43,64.14) v1(98.43,62.87) v1(98.43,61.6) v1(99.69,64.14) v1(99.69,62.87) v1(99.69,61.6) v3(52.07,42.55) v3(53.98,42.55) v3(55.88,42.55) v3(58.42,42.55) v3(58.42,40.64)
-2.5V: length 25
  Top w0.127: J2.6 24.6,19.21 22.39,19.21 20.7,17.53 20.7,12.8 17.1,9.2 R5.2 16.94,9.2 16.39,8.65 15.02,8.65 12.93,10.74 C4.2 12.93,11.8 14.04,12.91 U1.6
-5VA: length 304.8
  Top w0.127: U9.6 38.17,11.33 37.76,10.92 C21.2 37.06,10.74 39.15,8.65 40.39,8.65 40.94,9.2 R13.2
  Top w0.254: U29.4 112.68,75.07 C98.2 C99.2 112.88,78.67 v3(113.04,78.83) ; U25.4 53.88,75.07 C82.2 C83.2 54.08,78.67 v3(54.24,78.83) 54.62,78.45 54.62,69.86 31.62,46.86 31.62,29.59 v3(30.23,28.19) ; v3(62.93,103.8) 63.08,103.95 C123.2 C122.2 63.28,107.55 U35.4 ; v3(43.33,103.8) 43.48,103.95 C131.2 C130.2 43.68,107.55 U37.4 ; v3(82.53,103.8) 82.68,103.95 C115.2 C114.2 82.88,107.55 U33.4 ; C21.2 28.89,10.92 J2.7 ; U27.4 93.08,75.07 C90.2 C91.2 93.28,78.67 v3(93.44,78.83) ; v3(102.13,103.8) 102.28,103.95 C107.2 C106.2 102.48,107.55 U31.4 ; v3(73.84,78.83) 73.68,78.67 C75.2 C74.2 73.48,75.07 U23.4